# KiCad board keybird42.kicad_pcb (continued)
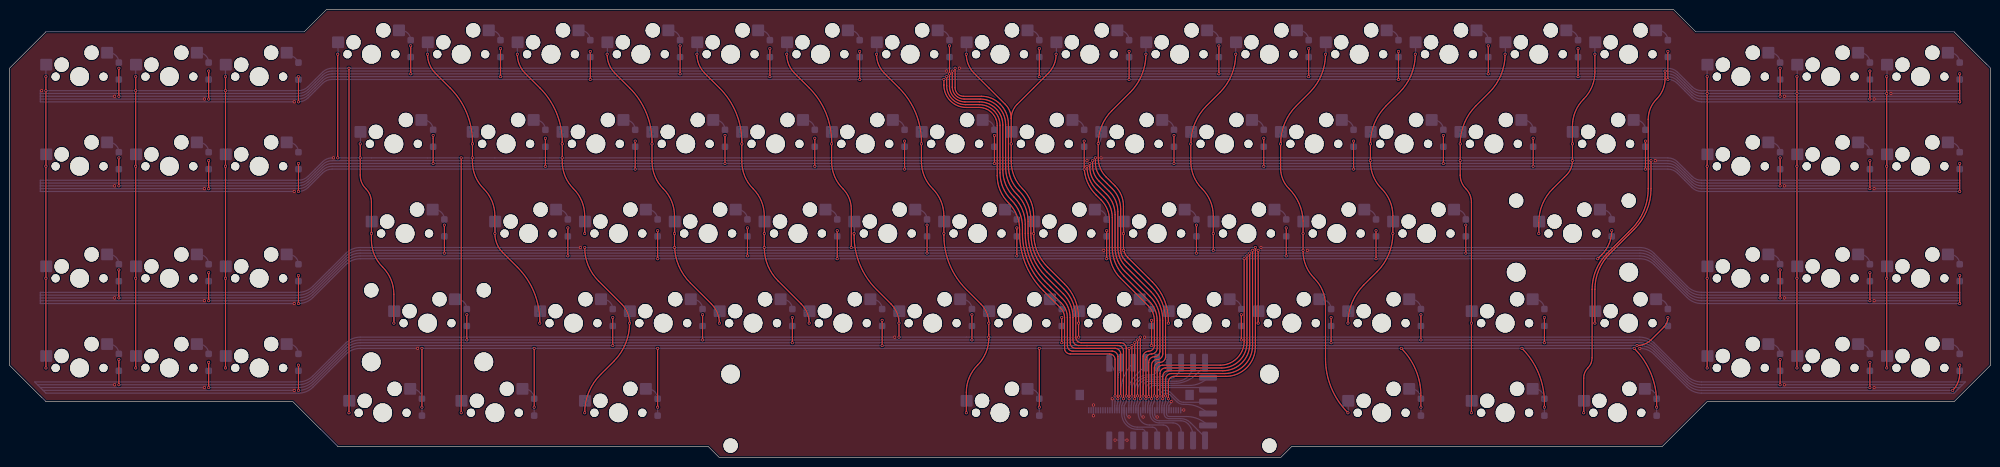
[diagram p0: board, top side]
## Routing (per net, layer and track width the routed paths; a pad name or vN(x,y) marks a point on that pad's centre or on a via; arc(x,y) is an arc through that point) (continued)
Net-(D111-A): length 3.7
  Bottom w0.254: SW111.2 21.13,86.04 arc(22.61,85.43) D111.2
Net-(D112-A): length 3.7
  Bottom w0.254: 82.64,90.81 83.04,90.81 arc(84.52,90.19) D112.2
Net-(D113-A): length 3.7
  Bottom w0.254: 139.79,90.81 140.19,90.81 arc(141.67,90.19) D113.2
Net-(D114-A): length 3.7
  Bottom w0.254: 196.94,90.81 197.34,90.81 arc(198.82,90.19) D114.2
Net-(D115-A): length 3.7
  Bottom w0.254: SW115.2 254.49,90.81 arc(255.97,90.19) D115.2
Net-(D116-A): length 3.7
  Bottom w0.254: SW116.2 311.64,90.81 arc(313.12,90.19) D116.2
Net-(D117-A): length 3.7
  Bottom w0.254: SW117.2 373.55,86.04 arc(375.03,85.43) D117.2
Net-(D121-A): length 3.7
  Bottom w0.254: SW121.2 40.18,86.04 arc(41.66,85.43) D121.2
Net-(D122-A): length 3.7
  Bottom w0.254: 101.69,90.81 102.09,90.81 arc(103.57,90.19) D122.2
Net-(D123-A): length 3.7
  Bottom w0.254: 158.84,90.81 159.24,90.81 arc(160.72,90.19) D123.2
Net-(D124-A): length 3.7
  Bottom w0.254: SW124.2 216.39,90.81 arc(217.87,90.19) D124.2
Net-(D125-A): length 3.7
  Bottom w0.254: 273.14,90.81 273.54,90.81 arc(275.02,90.19) D125.2
Net-(D126-A): length 3.7
  Bottom w0.254: 330.29,90.81 330.69,90.81 arc(332.17,90.19) D126.2
Net-(D127-A): length 3.7
  Bottom w0.254: SW127.2 392.6,86.04 arc(394.08,85.43) D127.2
Net-(D131-A): length 4.1
  Bottom w0.254: 59.23,86.04 SW131.2 ; 60.91,83.36 61.32,83.36 arc(60.71,84.84) 59.23,85.45
Net-(D132-A): length 3.7
  Bottom w0.254: 120.74,90.81 121.14,90.81 arc(122.62,90.19) D132.2
Net-(D133-A): length 3.7
  Bottom w0.254: 177.89,90.81 178.29,90.81 arc(179.77,90.19) D133.2
Net-(D134-A): length 3.7
  Bottom w0.254: SW134.2 235.44,90.81 arc(236.92,90.19) D134.2
Net-(D135-A): length 3.7
  Bottom w0.254: SW135.2 292.59,90.81 arc(294.07,90.19) D135.2
Net-(D136-A): length 3.7
  Bottom w0.254: SW136.2 349.74,90.81 arc(351.22,90.19) D136.2
Net-(D137-A): length 3.7
  Bottom w0.254: SW137.2 411.65,86.04 arc(413.13,85.43) D137.2
Net-(D211-A): length 3.7
  Bottom w0.254: SW211.2 21.13,66.99 arc(22.61,66.38) D211.2
Net-(D212-A): length 3.7
  Bottom w0.254: SW212.2 87.8,71.76 arc(89.28,71.14) D212.2
Net-(D213-A): length 3.7
  Bottom w0.254: SW213.2 149.72,71.76 arc(151.19,71.14) D213.2
Net-(D214-A): length 3.7
  Bottom w0.254: SW214.2 206.87,71.76 arc(208.34,71.14) D214.2
Net-(D215-A): length 3.7
  Bottom w0.254: SW215.2 244.97,71.76 arc(246.44,71.14) D215.2
Net-(D216-A): length 3.7
  Bottom w0.254: SW216.2 302.12,71.76 arc(303.59,71.14) D216.2
Net-(D217-A): length 3.7
  Bottom w0.254: SW217.2 373.55,66.99 arc(375.03,66.38) D217.2
Net-(D221-A): length 3.7
  Bottom w0.254: SW221.2 40.18,66.99 arc(41.66,66.38) D221.2
Net-(D222-A): length 3.7
  Bottom w0.254: SW222.2 111.62,71.76 arc(113.09,71.14) D222.2
Net-(D223-A): length 3.7
  Bottom w0.254: SW223.2 168.77,71.76 arc(170.24,71.14) D223.2
Net-(D225-A): length 3.7
  Bottom w0.254: SW225.2 264.02,71.76 arc(265.49,71.14) D225.2
Net-(D226-A): length 3.7
  Bottom w0.254: SW226.2 321.17,71.76 arc(322.64,71.14) D226.2
Net-(D227-A): length 3.7
  Bottom w0.254: SW227.2 392.6,66.99 arc(394.08,66.38) D227.2
Net-(D231-A): length 3.7
  Bottom w0.254: SW231.2 59.23,66.99 arc(60.71,66.38) D231.2
Net-(D232-A): length 3.7
  Bottom w0.254: SW232.2 130.67,71.76 arc(132.14,71.14) D232.2
Net-(D233-A): length 3.7
  Bottom w0.254: SW233.2 187.82,71.76 arc(189.29,71.14) D233.2
Net-(D234-A): length 3.7
  Bottom w0.254: SW234.2 225.92,71.76 arc(227.39,71.14) D234.2
Net-(D235-A): length 3.7
  Bottom w0.254: SW235.2 283.07,71.76 arc(284.54,71.14) D235.2
Net-(D236-A): length 3.7
  Bottom w0.254: SW236.2 344.98,71.76 arc(346.46,71.14) D236.2
Net-(D237-A): length 3.7
  Bottom w0.254: SW237.2 411.65,66.99 arc(413.13,66.38) D237.2
Net-(D311-A): length 3.7
  Bottom w0.254: SW311.2 21.13,43.18 arc(22.61,42.57) D311.2
Net-(D312-A): length 3.7
  Bottom w0.254: SW312.2 90.18,52.71 arc(91.66,52.09) D312.2
Net-(D314-A): length 3.7
  Bottom w0.254: SW314.2 192.58,52.71 arc(194.06,52.09) D314.2
Net-(D315-A): length 3.7
  Bottom w0.254: SW315.2 249.73,52.71 arc(251.21,52.09) D315.2
Net-(D316-A): length 3.7
  Bottom w0.254: SW316.2 306.88,52.71 arc(308.36,52.09) D316.2
Net-(D317-A): length 3.7
  Bottom w0.254: SW317.2 373.55,43.18 arc(375.03,42.57) D317.2
Net-(D321-A): length 3.7
  Bottom w0.254: SW321.2 40.18,43.18 arc(41.66,42.57) D321.2
Net-(D322-A): length 3.7
  Bottom w0.254: SW322.2 116.38,52.71 arc(117.86,52.09) D322.2
Net-(D323-A): length 3.7
  Bottom w0.254: SW323.2 154.48,52.71 arc(155.96,52.09) D323.2
Net-(D324-A): length 3.7
  Bottom w0.254: SW324.2 211.63,52.71 arc(213.11,52.09) D324.2
Net-(D325-A): length 3.7
  Bottom w0.254: SW325.2 268.78,52.71 arc(270.26,52.09) D325.2
Net-(D327-A): length 3.7
  Bottom w0.254: SW327.2 392.6,43.18 arc(394.08,42.57) D327.2
Net-(D331-A): length 3.7
  Bottom w0.254: SW331.2 59.23,43.18 arc(60.71,42.57) D331.2
Net-(D332-A): length 3.7
  Bottom w0.254: SW332.2 135.43,52.71 arc(136.91,52.09) D332.2
Net-(D333-A): length 3.7
  Bottom w0.254: SW333.2 173.53,52.71 arc(175.01,52.09) D333.2
Net-(D334-A): length 3.7
  Bottom w0.254: SW334.2 230.68,52.71 arc(232.16,52.09) D334.2
Net-(D335-A): length 3.7
  Bottom w0.254: 287.42,52.71 287.83,52.71 arc(289.31,52.09) D335.2
Net-(D336-A): length 3.7
  Bottom w0.254: SW336.2 337.83,52.71 arc(339.31,52.09) D336.2
Net-(D337-A): length 3.7
  Bottom w0.254: 411.25,43.19 411.65,43.19 arc(413.13,42.58) 413.74,41.1
Net-(D411-A): length 3.7
  Bottom w0.254: SW411.2 21.13,24.13 arc(22.61,23.52) D411.2
Net-(D412-A): length 3.7
  Bottom w0.254: SW412.2 94.95,33.66 arc(96.42,33.04) D412.2
Net-(D413-A): length 3.7
  Bottom w0.254: SW413.2 144.95,33.66 arc(146.43,33.04) D413.2
Net-(D414-A): length 3.7
  Bottom w0.254: SW414.2 202.1,33.66 arc(203.58,33.04) 204.19,31.57
Net-(D415-A): length 3.7
  Bottom w0.254: SW415.2 259.25,33.66 arc(260.73,33.04) D415.2
Net-(D416-A): length 3.7
  Bottom w0.254: SW416.2 297.35,33.66 arc(298.83,33.04) D416.2
Net-(D417-A): length 3.7
  Bottom w0.254: SW417.2 373.55,24.13 arc(375.03,23.52) D417.2
Net-(D421-A): length 3.7
  Bottom w0.254: SW421.2 40.18,24.13 arc(41.66,23.52) D421.2
Net-(D423-A): length 3.7
  Bottom w0.254: SW423.2 164,33.66 arc(165.48,33.04) D423.2
Net-(D424-A): length 3.7
  Bottom w0.254: SW424.2 221.15,33.66 arc(222.63,33.04) D424.2
Net-(D425-A): length 3.7
  Bottom w0.254: SW425.2 278.3,33.66 arc(279.78,33.04) D425.2
Net-(D426-A): length 3.7
  Bottom w0.254: SW426.2 323.55,33.66 arc(325.02,33.04) D426.2
Net-(D427-A): length 3.7
  Bottom w0.254: SW427.2 392.6,24.13 arc(394.08,23.52) D427.2
Net-(D431-A): length 3.7
  Bottom w0.254: SW431.2 59.23,24.13 arc(60.71,23.52) D431.2
Net-(D432-A): length 3.7
  Bottom w0.254: SW432.2 125.9,33.66 arc(127.38,33.04) D432.2
Net-(D433-A): length 3.7
  Bottom w0.254: SW433.2 183.05,33.66 arc(184.53,33.04) D433.2
Net-(D434-A): length 3.7
  Bottom w0.254: SW434.2 240.2,33.66 arc(241.68,33.04) D434.2
Net-(D436-A): length 3.7
  Bottom w0.254: SW436.2 349.74,33.66 arc(351.22,33.04) D436.2
Net-(D437-A): length 3.7
  Bottom w0.254: 411.25,24.14 411.65,24.14 arc(413.13,23.53) 413.74,22.05
Net-(D501-A): length 3.7
  Bottom w0.254: SW501.2 85.42,14.61 arc(86.9,13.99) D501.2
Net-(D502-A): length 3.7
  Bottom w0.254: SW502.2 109.23,14.61 arc(110.71,13.99) D502.2
Net-(D503-A): length 3.7
  Bottom w0.254: SW503.2 135.43,14.61 arc(136.91,13.99) D503.2
Net-(D504-A): length 3.7
  Bottom w0.254: SW504.2 216.39,14.61 arc(217.87,13.99) D504.2
Net-(D505-A): length 3.7
  Bottom w0.254: SW505.2 297.35,14.61 arc(298.83,13.99) D505.2
Net-(D506-A): length 3.7
  Bottom w0.254: SW506.2 323.55,14.61 arc(325.02,13.99) D506.2
Net-(D507-A): length 3.7
  Bottom w0.254: SW507.2 347.36,14.61 arc(348.84,13.99) D507.2

## Copper pours and planes (outline as drawn; the poured copper is in the pictures)
GND on Top: 420.89,96.44 -0.6,96.44 -0.6,-1.19 420.89,-1.19
(no net) on Bottom: 420.89,96.44 -0.6,96.44 -0.6,-1.19 420.89,-1.19

## Text on the board
B.Silkscreen: JLCJLCJLCJLC | redesigned and assembled | in Cambridge by | Tony Finch <dot@dotat.at> | keybird 42
